# Allegro board P2597_B04_Allegro_layout.brd (continued)
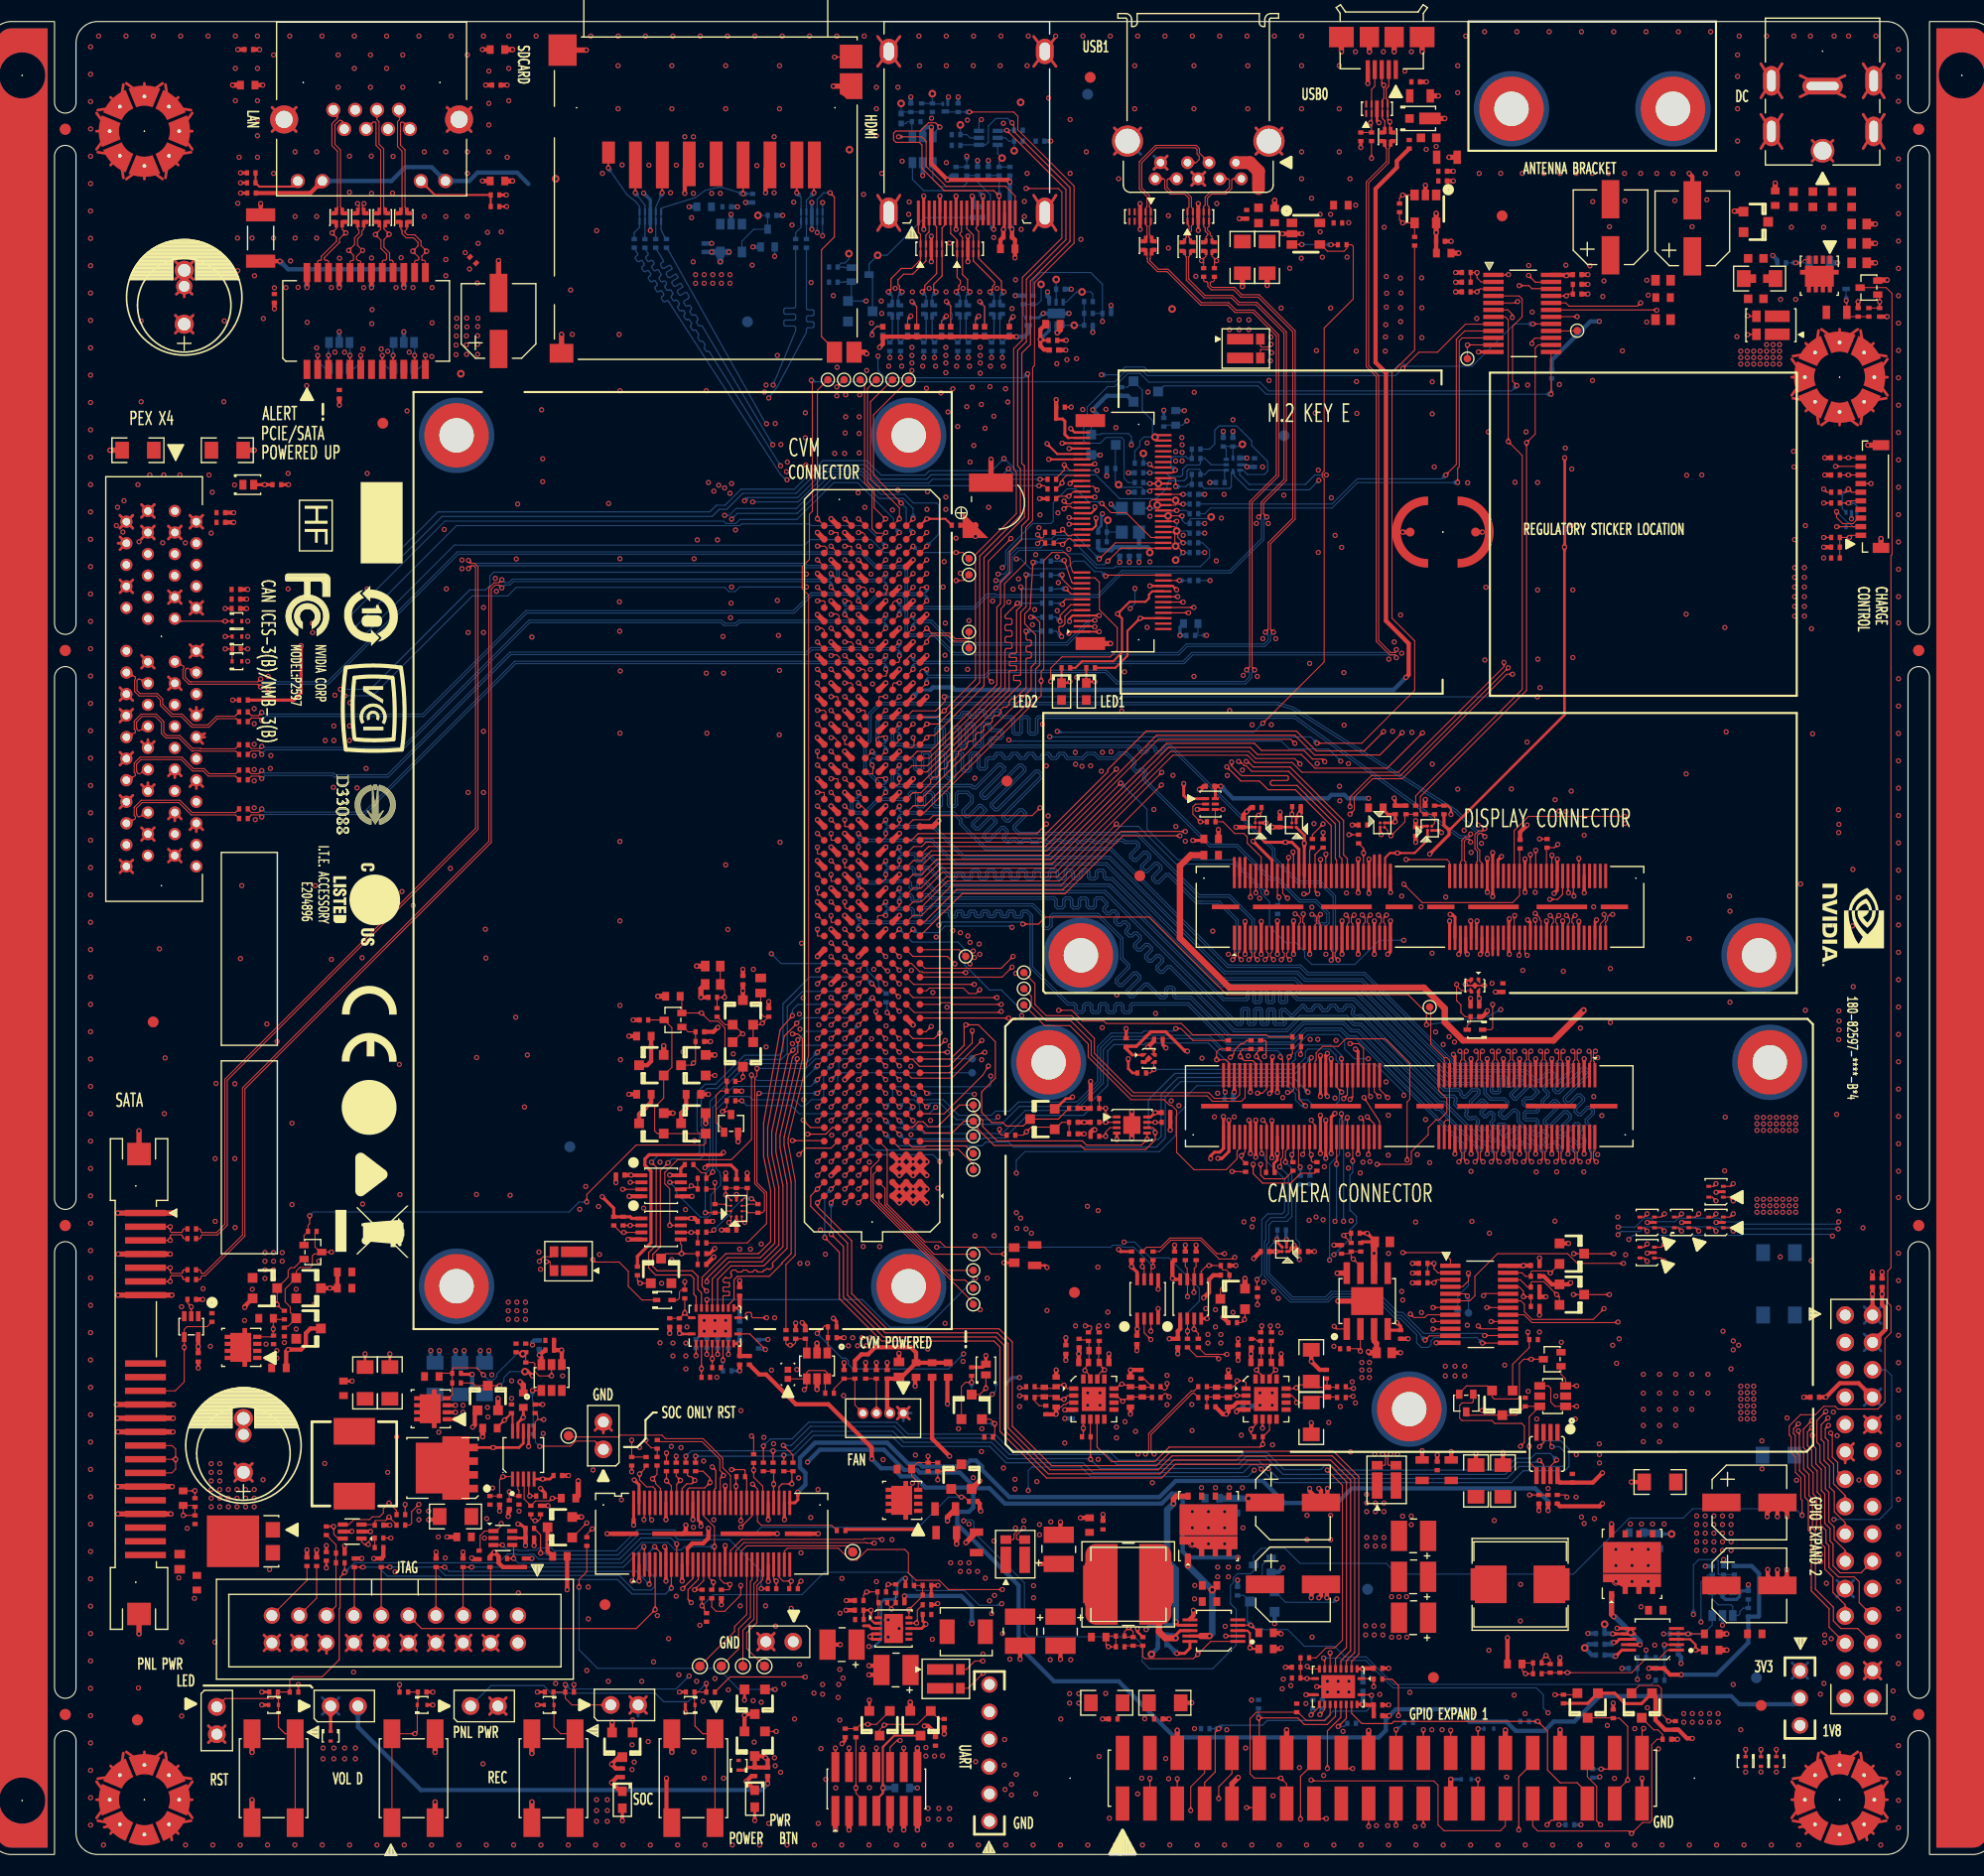
[diagram p0: board, top side]
## Routing (per net, layer and track width the routed paths; a pad name or vN(x,y) marks a point on that pad's centre or on a via; arc(x,y) is an arc through that point) (continued)
  L2 w0.254: 10.61,2.53 MEC2.4 ; MEC2.4 11.21,1.94 ; MEC2.4 10.02,3.13 ; 18.58,96.34 19.18,95.74 ; 19.18,95.74 19.77,96.34 ; 19.18,95.74 19.77,95.14 ; 19.18,95.74 18.58,95.14 ; 16.3,9.41 MEC2.8 ; MEC2.8 18.68,7.03 ; MEC2.8 17.49,8.22 ; 16.58,124.14 J2.A1 ; J2.A1 17.77,125.34 ; J2.A1 16.58,125.34 ; J2.A1 17.77,124.14 ; 17.18,108.74 17.77,109.34 ; 17.18,108.74 17.77,108.14 ; 17.18,108.74 16.58,109.34 ; 17.18,108.74 16.58,108.14 ; 19.18,111.74 19.77,111.14 ; 19.18,111.74 19.77,112.34 ; 19.18,111.74 18.58,112.34 ; 19.18,111.74 18.58,111.14 ; 14.35,155.56 MEC1.5 ; MEC1.5 16.03,155.56 ; MEC1.5 12.67,155.56 ; 12.08,108.34 12.67,107.74 ; 12.67,107.74 12.08,107.14 ; 12.67,107.74 13.27,107.14 ; 12.67,107.74 13.27,108.34 ; MEC1.1 14.35,164.45 ; MEC1.1 12.67,164.45 ; MEC1.1 16.03,164.45 ; 174.11,39.14 J26.10 ; J26.10 175.67,40.7 ; J26.10 175.67,39.14 ; J26.10 174.11,40.7 ; 25.46,20.37 J7.20 ; J7.20 25.46,18.91 ; J7.20 26.92,20.37 ; J7.20 26.92,18.91 ; 14.67,98.74 15.27,98.14 ; 14.67,98.74 14.08,99.34 ; 14.67,98.74 15.27,99.34 ; 14.67,98.74 14.08,98.14 ; 16.58,101.34 17.18,100.74 ; 17.18,100.74 16.58,100.14 ; 17.18,100.74 17.77,101.34 ; 17.18,100.74 17.77,100.14 ; 174.02,158.4 J25.6 ; J25.6 175.98,158.4 ; J25.6 174.02,161.56 ; J25.6 175.98,161.56 ; 174.11,139.44 174.97,140.3 ; 174.11,139.44 173.78,141.49 ; 174.11,139.44 176.16,139.11 ; 168.69,1.94 169.55,2.8 ; 169.55,2.8 168.09,2.53 ; 169.55,2.8 167.5,3.13 ; 17.23,147.9 C4.3 ; C4.3 17.23,146.26 ; C4.3 18.87,146.26 ; C4.3 18.87,147.9 ; J26.11 173.13,36.6 ; J26.11 171.57,36.6 ; J26.11 173.13,38.16 ; J26.11 171.57,38.16 ; J6.2 47.97,14.56 ; J6.2 46.41,14.56 ; J6.2 47.97,13 ; J6.2 46.41,13 ; J17.1 93.58,3.81 ; J17.1 92.12,2.35 ; J17.1 93.58,2.35 ; J17.1 92.12,3.81 ; 164.52,158.4 J25.3 ; J25.3 166.48,161.56 ; J25.3 166.48,158.4 ; J25.3 164.52,161.56 ; J19.4 109.37,156.46 ; J19.4 109.37,157.7 ; J19.4 108.13,156.46 ; J19.4 108.13,157.7 ; 18.58,121.14 J2.A4 ; J2.A4 18.58,122.34 ; J2.A4 19.77,121.14 ; J2.A4 19.77,122.34 ; MEC2.6 17.49,1.94 ; MEC2.6 16.9,1.34 ; MEC2.6 18.68,3.13 ; MEC13.1 171.83,141.61 ; MEC13.1 170.15,141.61 ; MEC13.1 173.51,141.61 ; 17.18,96.74 17.77,96.14 ; 17.18,96.74 17.77,97.34 ; 17.18,96.74 16.58,96.14 ; 17.18,96.74 16.58,97.34 ; MEC1.7 18.8,161.68 ; MEC1.7 18.8,160 ; MEC1.7 18.8,158.32 ; 12.08,106.34 12.67,105.74 ; 12.67,105.74 13.27,105.14 ; 12.67,105.74 12.08,105.14 ; 12.67,105.74 13.27,106.34 ; J9.2 60.99,14.66 ; J9.2 59.44,14.66 ; J9.2 60.99,13.1 ; J9.2 59.44,13.1 ; J16.21 99.03,166.02 ; J16.21 96.97,168.79 ; J16.21 99.03,168.79 ; J16.21 96.97,166.02 ; 14.08,102.14 14.67,102.74 ; 14.67,102.74 15.27,102.14 ; 14.67,102.74 15.27,103.34 ; 14.67,102.74 14.08,103.34 ; J19.7 112.87,156.2 ; J19.7 111.63,154.96 ; J19.7 112.87,154.96 ; J19.7 111.63,156.2 ; 16.63,157.72 18.68,158.05 ; 16.63,157.72 17.49,156.86 ; 16.63,157.72 16.3,155.67 ; 84.29,41.54 J15.1 ; J15.1 85.41,40.42 ; J15.1 85.41,41.54 ; J15.1 84.29,40.42 ; J7.12 37.08,18.91 ; J7.12 37.08,20.37 ; J7.12 35.62,20.37 ; J7.12 35.62,18.91 ; J26.28 175.67,16.28 ; J26.28 174.11,17.84 ; J26.28 175.67,17.84 ; J26.28 174.11,16.28 ; 167.38,135.48 MEC13.3 ; MEC13.3 167.38,138.84 ; MEC13.3 167.38,137.16 ; 12.08,121.14 12.67,121.74 ; 12.67,121.74 13.27,121.14 ; 12.67,121.74 12.08,122.34 ; 12.67,121.74 13.27,122.34 ; J7.16 32,20.37 ; J7.16 32,18.91 ; J7.16 30.54,18.91 ; J7.16 30.54,20.37 ; 11.21,163.14 MEC1.2 ; MEC1.2 12.4,164.33 ; MEC1.2 10.02,161.95 ; 71.31,20.53 J11.2 ; J11.2 72.86,20.53 ; J11.2 72.86,18.98 ; J11.2 71.31,18.98 ; J25.4 166.48,163.1 ; J25.4 164.52,166.26 ; J25.4 164.52,163.1 ; J25.4 166.48,166.26 ; 9.9,161.68 MEC1.3 ; MEC1.3 9.9,158.32 ; MEC1.3 9.9,160 ; 104.46,157.86 J19.11 ; J19.11 104.46,160.3 ; J19.11 106.9,157.86 ; J19.11 106.9,160.3 ; J8.2 57.76,39.37 ; J8.2 57.76,40.93 ; J8.2 56.2,39.37 ; J8.2 56.2,40.93 ; J7.6 44.7,20.37 ; J7.6 43.24,18.91 ; J7.6 43.24,20.37 ; J7.6 44.7,18.91 ; 22.82,38.26 C24.2 ; C24.2 23.55,38.03 ; C24.2 24.28,38.26 ; MEC14.1 171.83,9.53 ; MEC14.1 173.51,9.53 ; MEC14.1 170.15,9.53 ; 14.67,118.74 15.27,118.14 ; 14.67,118.74 14.08,119.34 ; 14.67,118.74 14.08,118.14 ; 14.67,118.74 15.27,119.34 ; MEC13.7 176.28,138.84 ; MEC13.7 176.28,135.48 ; MEC13.7 176.28,137.16 ; MEC2.2 12.4,9.41 ; MEC2.2 11.21,8.22 ; MEC2.2 10.02,7.03 ; J19.10 120.04,157.86 ; J19.10 117.6,157.86 ; J19.10 120.04,160.3 ; J19.10 117.6,160.3 ; 18.58,104.34 19.18,103.74 ; 19.18,103.74 18.58,103.14 ; 19.18,103.74 19.77,103.14 ; 19.18,103.74 19.77,104.34 ; MEC14.8 174.97,8.22 ; MEC14.8 173.78,9.41 ; MEC14.8 176.16,7.03 ; 18.58,105.14 19.18,105.74 ; 19.18,105.74 19.77,105.14 ; 19.18,105.74 18.58,106.34 ; 19.18,105.74 19.77,106.34 ; 19.18,99.74 19.77,99.14 ; 19.18,99.74 19.77,100.34 ; 19.18,99.74 18.58,99.14 ; 19.18,99.74 18.58,100.34 ; 168.69,8.22 169.55,7.36 ; 169.55,7.36 169.88,9.41 ; 169.55,7.36 167.5,7.03 ; 167.5,135.21 169.55,134.88 ; 169.55,134.88 169.88,132.83 ; 169.55,134.88 168.69,134.02 ; J25.5 175.98,166.26 ; J25.5 175.98,163.1 ; J25.5 174.02,163.1 ; J25.5 174.02,166.26 ; MEC14.6 174.97,1.94 ; MEC14.6 176.16,3.13 ; MEC14.6 174.38,1.34 ; MEC2.7 18.8,3.4 ; MEC2.7 18.8,5.08 ; MEC2.7 18.8,6.76 ; J7.4 47.24,18.91 ; J7.4 47.24,20.37 ; J7.4 45.78,18.91 ; J7.4 45.78,20.37 ; 16.58,92.14 17.18,92.74 ; 17.18,92.74 16.58,93.34 ; 17.18,92.74 17.77,93.34 ; 17.18,92.74 17.77,92.14 ; MEC2.1 14.35,9.53 ; MEC2.1 12.67,9.53 ; MEC2.1 16.03,9.53 ; MEC13.5 173.51,132.72 ; MEC13.5 171.83,132.72 ; MEC13.5 170.15,132.72 ; 12.67,101.74 13.27,101.14 ; 12.67,101.74 12.08,102.34 ; 12.67,101.74 13.27,102.34 ; 12.67,101.74 12.08,101.14 ; 40.7,20.37 J7.8 ; J7.8 40.7,18.91 ; J7.8 42.16,18.91 ; J7.8 42.16,20.37 ; J7.10 39.62,20.37 ; J7.10 39.62,18.91 ; J7.10 38.16,20.37 ; J7.10 38.16,18.91 ; 12.67,97.74 13.27,98.34 ; 12.67,97.74 12.08,97.14 ; 12.67,97.74 13.27,97.14 ; 12.67,97.74 12.08,98.34 ; 96.97,150.78 J16.20 ; J16.20 96.97,154.05 ; J16.20 99.03,150.78 ; J16.20 99.03,154.05 ; 168.69,140.3 169.55,139.44 ; 169.55,139.44 167.5,139.11 ; 169.55,139.44 169.88,141.49 ; 14.08,111.34 14.67,110.74 ; 14.67,110.74 14.08,110.14 ; 14.67,110.74 15.27,110.14 ; 33.08,20.37 J7.14 ; J7.14 34.54,18.91 ; J7.14 33.08,18.91 ; J7.14 34.54,20.37 ; 173.78,132.83 MEC13.6 ; MEC13.6 174.97,134.02 ; MEC13.6 176.16,135.21 ; 82.47,166.02 J16.23 ; J16.23 82.47,168.79 ; J16.23 84.53,166.02 ; J16.23 84.53,168.79 ; 12.07,157.72 12.4,155.67 ; 12.07,157.72 11.21,156.86 ; 12.07,157.72 10.02,158.05 ; 171.57,23.9 J26.21 ; J26.21 171.57,25.46 ; J26.21 173.13,23.9 ; J26.21 173.13,25.46 ; 82.47,150.78 J16.22 ; J16.22 84.53,154.05 ; J16.22 84.53,150.78 ; J16.22 82.47,154.05 ; 12.67,91.74 13.27,92.34 ; 12.67,91.74 12.08,92.34 ; 12.67,91.74 13.27,91.14 ; 12.67,91.74 12.08,91.14 ; 22.73,41.3 C24.3 ; C24.3 24.37,39.66 ; C24.3 24.37,41.3 ; C24.3 22.73,39.66 ; J7.18 29.46,18.91 ; J7.18 28,18.91 ; J7.18 29.46,20.37 ; J7.18 28,20.37 ; 14.67,94.74 15.27,95.34 ; 14.67,94.74 15.27,94.14 ; 14.67,94.74 14.08,95.34 ; 14.67,94.74 14.08,94.14 ; 9.9,5.08 MEC2.3 ; MEC2.3 9.9,3.4 ; MEC2.3 9.9,6.76 ; 20.3,11.94 J3.2 ; J3.2 21.85,11.94 ; J3.2 21.85,10.39 ; J3.2 20.3,10.39 ; MEC14.7 176.28,3.4 ; MEC14.7 176.28,5.08 ; MEC14.7 176.28,6.76 ; 16.3,164.33 MEC1.8 ; MEC1.8 18.68,161.95 ; MEC1.8 17.49,163.14 ; 167.38,5.08 MEC14.3 ; MEC14.3 167.38,6.76 ; MEC14.3 167.38,3.4 ; C4.2 18.78,144.86 ; C4.2 17.32,144.86 ; C4.2 18.05,144.63 ; 168.17,165.16 J25.2 ; J25.2 172.33,163.2 ; J25.2 168.17,163.2 ; J25.2 172.33,165.16
  L2 w0.4: 169.55,2.8 MEC14.5 MEC14.6
  L3 w0.254: 18.58,111.14 19.18,111.74 ; 19.18,111.74 19.77,111.14 ; 19.18,111.74 19.18,110.97 ; J11.2 72.86,20.53 ; J11.2 71.31,18.98 ; J11.2 71.31,20.53 ; J11.2 72.86,18.98 ; MEC13.7 176.28,135.48 ; MEC13.7 176.28,138.84 ; MEC13.7 176.28,137.16 ; 17.18,108.74 17.77,109.34 ; 17.18,108.74 17.77,108.14 ; 17.18,108.74 16.58,108.14 ; 17.18,108.74 16.58,109.34 ; 22.73,41.3 C24.3 ; C24.3 22.73,39.66 ; C24.3 24.37,39.66 ; C24.3 24.37,41.3 ; 167.38,6.76 MEC14.3 ; MEC14.3 167.38,3.4 ; MEC14.3 167.38,5.08 ; J19.11 106.9,157.86 ; J19.11 104.46,160.3 ; J19.11 106.9,160.3 ; 174.11,39.14 J26.10 ; J26.10 175.67,40.7 ; J26.10 174.11,40.7 ; J26.10 175.67,39.14 ; J25.4 166.48,163.1 ; J25.4 166.48,166.26 ; J25.4 164.52,166.26 ; J25.4 164.52,163.1 ; 16.3,155.67 16.63,157.72 ; 16.63,157.72 18.68,158.05 ; 16.63,157.72 17.49,156.86 ; 11.21,1.94 MEC2.4 ; MEC2.4 10.02,3.13 ; MEC2.4 10.61,2.53 ; 9.9,160 MEC1.3 ; MEC1.3 9.9,161.68 ; MEC1.3 9.9,158.32 ; MEC1.7 18.8,158.32 ; MEC1.7 18.8,160 ; MEC1.7 18.8,161.68 ; J19.7 112.87,154.96 ; J19.7 111.63,154.96 ; J19.7 112.87,156.2 ; J19.7 111.63,156.2 ; 168.69,1.94 169.55,2.8 ; 169.55,2.8 168.09,2.53 ; 169.55,2.8 167.5,3.13 ; 171.57,23.9 J26.21 ; J26.21 171.57,25.46 ; J26.21 173.13,23.9 ; J26.21 173.13,25.46 ; MEC2.2 12.4,9.41 ; MEC2.2 11.21,8.22 ; MEC2.2 10.02,7.03 ; 19.18,105.74 19.77,106.34 ; 19.18,105.74 19.77,105.14 ; 19.18,105.74 18.58,105.14 ; 19.18,105.74 18.58,106.34 ; J9.2 60.99,13.1 ; J9.2 60.22,12.85 ; J9.2 60.99,14.66 ; MEC13.5 173.51,132.72 ; MEC13.5 171.83,132.72 ; MEC13.5 170.15,132.72 ; J3.2 21.85,11.94 ; J3.2 21.85,10.39 ; J3.2 20.3,10.39 ; J3.2 20.3,11.94 ; MEC2.6 17.49,1.94 ; MEC2.6 16.9,1.34 ; MEC2.6 18.68,3.13 ; 12.67,107.74 13.27,107.14 ; 12.67,107.74 13.27,108.34 ; 12.67,107.74 12.08,107.14 ; 12.67,107.74 12.08,108.34 ; 17.18,92.74 17.77,93.34 ; 17.18,92.74 16.58,92.14 ; 17.18,92.74 16.58,93.34 ; 17.18,92.74 17.77,92.14 ; 12.07,157.72 12.4,155.67 ; 12.07,157.72 11.21,156.86 ; 12.07,157.72 10.02,158.05 ; 16.58,97.34 17.18,96.74 ; 17.18,96.74 17.77,96.14 ; 17.18,96.74 16.58,96.14 ; 17.18,96.74 17.77,97.34 ; 16.3,9.41 MEC2.8 ; MEC2.8 17.49,8.22 ; MEC2.8 18.68,7.03 ; MEC13.6 176.16,135.21 ; MEC13.6 173.78,132.83 ; MEC13.6 174.97,134.02 ; MEC1.8 17.49,163.14 ; MEC1.8 16.3,164.33 ; MEC1.8 18.68,161.95 ; 22.82,38.26 C24.2 ; C24.2 23.55,38.03 ; C24.2 24.28,38.26 ; 167.38,135.48 MEC13.3 ; MEC13.3 167.38,137.16 ; MEC13.3 167.38,136.32 ; J7.16 32,18.91 ; J7.16 30.54,20.37 ; J7.16 32,20.37 ; J7.16 30.54,18.91 ; 171.57,36.6 J26.11 ; J26.11 171.57,38.16 ; J26.11 173.13,36.6 ; J26.11 173.13,38.16 ; MEC14.6 174.97,1.94 ; MEC14.6 174.38,1.34 ; MEC14.6 176.16,3.13 ; 174.11,16.28 J26.28 ; J26.28 175.67,17.84 ; J26.28 174.11,17.84 ; J26.28 175.67,16.28 ; 14.67,110.74 15.27,110.14 ; 14.67,110.74 14.08,111.34 ; 14.67,110.74 14.08,110.14 ; 117.6,160.3 J19.10 ; J19.10 120.04,157.86 ; J19.10 120.04,160.3 ; J19.10 117.6,157.86 ; 10.02,161.95 MEC1.2 ; MEC1.2 11.21,163.14 ; MEC1.2 12.4,164.33 ; 18.58,96.34 19.18,95.74 ; 19.18,95.74 18.58,95.14 ; 19.18,95.74 19.77,95.14 ; 19.18,95.74 19.77,96.34 ; J7.18 29.46,20.37 ; J7.18 28,20.37 ; J7.18 29.46,18.91 ; J7.18 28,18.91 ; 167.5,7.03 169.55,7.36 ; 169.55,7.36 169.88,9.41 ; 169.55,7.36 168.69,8.22 ; J16.23 84.53,166.02 ; J16.23 82.47,166.02 ; J16.23 82.47,168.79 ; J16.23 84.53,168.79 ; 173.78,9.41 MEC14.8 ; MEC14.8 174.97,8.22 ; MEC14.8 176.16,7.03 ; MEC14.1 171.83,9.53 ; MEC14.1 170.15,9.53 ; MEC14.1 173.51,9.53 ; J16.21 99.03,168.79 ; J16.21 99.03,166.02 ; J16.21 96.97,166.02 ; J16.21 96.97,168.79 ; 56.2,39.37 J8.2 ; J8.2 56.2,40.93 ; J8.2 57.76,39.37 ; J8.2 57.76,40.93 ; MEC2.7 18.8,6.76 ; MEC2.7 18.8,3.4 ; MEC2.7 18.8,5.08 ; 168.17,163.2 J25.2 ; J25.2 172.33,165.16 ; J25.2 168.17,165.16 ; J25.2 172.33,163.2 ; MEC1.1 16.03,164.45 ; MEC1.1 14.35,164.45 ; MEC1.1 12.67,164.45 ; 14.67,102.74 15.27,103.34 ; 14.67,102.74 14.08,103.34 ; 14.67,102.74 14.08,102.14 ; 14.67,102.74 15.27,102.14 ; 12.67,91.74 13.27,91.14 ; 12.67,91.74 13.27,92.34 ; 12.67,91.74 12.08,91.14 ; 12.67,91.74 12.08,92.34 ; MEC14.7 176.28,3.4 ; MEC14.7 176.28,5.08 ; MEC14.7 176.28,6.76 ; 169.55,134.88 169.88,132.83 ; 174.02,163.1 J25.5 ; J25.5 175.98,163.1 ; J25.5 174.02,166.26 ; J25.5 175.98,166.26 ; 17.18,100.74 17.77,101.34 ; 17.18,100.74 16.58,101.34 ; 17.18,100.74 17.77,100.14 ; 17.18,100.74 16.58,100.14 ; 14.35,155.56 MEC1.5 ; MEC1.5 16.03,155.56 ; MEC1.5 12.67,155.56 ; J25.6 175.98,158.4 ; J25.6 175.98,161.56 ; J25.6 174.02,161.56 ; J25.6 174.02,158.4 ; 164.52,161.56 J25.3 ; J25.3 166.48,158.4 ; J25.3 164.52,158.4 ; J25.3 166.48,161.56 ; J19.4 109.37,156.46 ; J19.4 108.13,156.46 ; J19.4 108.13,157.7 ; J19.4 109.37,157.7 ; 96.97,150.78 J16.20 ; J16.20 99.03,154.05 ; J16.20 96.97,154.05 ; J16.20 99.03,150.78 ; 12.08,106.34 12.67,105.74 ; 12.67,105.74 13.27,106.34 ; 12.67,105.74 13.27,105.14 ; 12.67,105.74 12.08,105.14 ; 174.11,139.44 174.97,140.3 ; 174.11,139.44 173.78,141.49 ; 174.11,139.44 176.16,139.11 ; 168.69,140.3 169.55,139.44 ; 169.55,139.44 169.28,140.9 ; 169.55,139.44 169.88,141.49 ; 14.67,98.74 15.27,99.34 ; 14.67,98.74 14.08,98.14 ; 14.67,98.74 14.08,99.34 ; 14.67,98.74 15.27,98.14 ; 9.9,3.4 MEC2.3 ; MEC2.3 9.9,5.08 ; MEC2.3 9.9,6.76 ; MEC2.1 16.03,9.53 ; MEC2.1 12.67,9.53 ; MEC2.1 14.35,9.53 ; 12.08,102.34 12.67,101.74 ; 12.67,101.74 12.08,101.14 ; 12.67,101.74 13.27,102.34 ; 12.67,101.74 13.27,101.14 ; 12.08,98.34 12.67,97.74 ; 12.67,97.74 12.08,97.14 ; 12.67,97.74 13.27,97.14 ; 12.67,97.74 13.27,98.34 ; 82.47,150.78 J16.22 ; J16.22 82.47,154.05 ; J16.22 84.53,150.78 ; J16.22 84.53,154.05 ; 25.46,20.37 J7.20 ; J7.20 26.92,18.91 ; J7.20 26.92,20.37 ; J7.20 25.46,18.91 ; 170.15,141.61 MEC13.1 ; MEC13.1 173.51,141.61 ; MEC13.1 171.83,141.61 ; 19.18,103.74 19.77,103.14 ; 19.18,103.74 18.58,103.14 ; 19.18,103.74 19.77,104.34 ; 19.18,103.74 18.58,104.34 ; 14.67,94.74 15.27,95.34 ; 14.67,94.74 14.08,95.34 ; 14.67,94.74 14.08,94.14 ; 14.67,94.74 15.27,94.14 ; 18.58,99.14 19.18,99.74 ; 19.18,99.74 19.77,99.14 ; 19.18,99.74 18.58,100.34 ; 19.18,99.74 19.77,100.34 ; C4.2 18.78,144.86 ; C4.2 17.32,144.86 ; C4.2 18.05,144.63 ; C4.3 18.87,146.26 ; C4.3 17.23,147.9 ; C4.3 18.87,147.9 ; C4.3 17.23,146.26
  L4 w0.254: 167.38,5.08 MEC14.3 ; MEC14.3 167.38,3.4 ; MEC14.3 167.38,6.76 ; 14.08,99.34 14.67,98.74 ; 14.67,98.74 15.27,99.34 ; 14.67,98.74 14.08,98.14 ; 14.67,98.74 15.27,98.14 ; 18.05,144.63 C4.2 ; C4.2 17.32,144.86 ; C4.2 18.78,144.86 ; 16.58,100.14 17.18,100.74 ; 17.18,100.74 16.58,101.34 ; 17.18,100.74 17.77,100.14 ; J7.10 39.62,20.37 ; J7.10 38.16,18.91 ; J7.10 39.62,18.91 ; J7.10 38.16,20.37 ; MEC13.5 173.51,132.72 ; MEC13.5 170.15,132.72 ; MEC13.5 171.83,132.72 ; 18.58,95.14 19.18,95.74 ; 19.18,95.74 19.77,95.14 ; 19.18,95.74 19.18,94.97 ; J11.2 72.86,20.53 ; J11.2 71.31,18.98 ; J11.2 71.31,20.53 ; J11.2 72.86,18.98 ; 168.17,165.16 J25.2 ; J25.2 172.33,165.16 ; J25.2 172.33,163.2 ; J25.2 168.17,163.2 ; J25.5 175.98,166.26 ; J25.5 175.98,163.1 ; J25.5 174.02,166.26 ; J25.5 174.02,163.1 ; MEC13.7 176.28,137.16 ; MEC13.7 176.28,135.48 ; MEC13.7 176.28,138.84 ; MEC2.8 17.49,8.22 ; MEC2.8 16.3,9.41 ; MEC2.8 18.68,7.03 ; 10.02,7.03 MEC2.2 ; MEC2.2 12.4,9.41 ; MEC2.2 11.21,8.22 ; 174.11,17.84 J26.28 ; J26.28 175.67,16.28 ; J26.28 175.67,17.84 ; J26.28 174.11,16.28 ; 12.08,105.14 12.67,105.74 ; 12.67,105.74 12.08,106.34 ; 12.67,105.74 13.27,105.14 ; 12.67,105.74 13.27,106.34 ; 35.62,20.37 J7.12 ; J7.12 37.08,18.91 ; J7.12 37.08,20.37 ; J7.12 35.62,18.91 ; 9.9,158.32 MEC1.3 ; MEC1.3 9.9,161.68 ; MEC1.3 9.9,160 ; 14.08,102.14 14.67,102.74 ; 14.67,102.74 14.08,103.34 ; 14.67,102.74 15.27,102.14 ; 14.67,102.74 15.27,103.34 ; 16.63,157.72 17.49,156.86 ; 16.63,157.72 16.3,155.67 ; 16.63,157.72 18.68,158.05 ; MEC13.1 173.51,141.61 ; MEC13.1 171.83,141.61 ; MEC13.1 170.15,141.61 ; MEC2.6 18.68,3.13 ; MEC2.6 17.49,1.94 ; MEC2.6 16.9,1.34 ; MEC1.8 17.49,163.14 ; MEC1.8 16.3,164.33 ; MEC1.8 18.68,161.95 ; MEC14.6 174.38,1.34 ; MEC14.6 176.16,3.13 ; MEC14.6 174.97,1.94 ; J2.A1 17.77,125.34 ; J2.A1 17.77,124.14 ; J2.A1 16.58,125.34 ; J2.A1 16.58,124.14 ; 167.38,137.16 MEC13.3 ; MEC13.3 167.38,138.84 ; MEC13.3 167.38,135.48 ; J3.2 21.85,10.39 ; J3.2 20.3,11.94 ; J3.2 21.85,11.94 ; J3.2 20.3,10.39 ; 12.67,121.74 13.27,121.14 ; 12.67,121.74 12.08,122.34 ; 12.67,121.74 12.08,121.14 ; 12.67,121.74 13.27,122.34 ; C24.3 24.37,41.3 ; C24.3 24.37,39.66 ; C24.3 22.73,41.3 ; C24.3 22.73,39.66 ; MEC2.7 18.8,5.08 ; MEC2.7 18.8,3.4 ; MEC2.7 18.8,6.76 ; 12.08,101.14 12.67,101.74 ; 12.67,101.74 13.27,101.14 ; 12.67,101.74 12.08,102.34 ; 12.67,101.74 13.27,102.34 ; 14.67,110.74 15.27,110.14 ; 14.67,110.74 14.08,110.14 ; 14.67,110.74 14.08,111.34 ; J7.20 26.92,18.91 ; J7.20 25.46,18.91 ; J7.20 25.46,20.37 ; J7.20 26.92,20.37 ; 18.58,105.14 19.18,105.74 ; 19.18,105.74 19.77,106.34 ; 19.18,105.74 18.58,106.34 ; 19.18,105.74 19.77,105.14 ; 9.9,3.4 MEC2.3 ; MEC2.3 9.9,5.08 ; MEC2.3 9.9,6.76 ; 12.08,91.14 12.67,91.74 ; 12.67,91.74 13.27,91.14 ; 12.67,91.74 12.08,92.34 ; 12.67,91.74 13.27,92.34 ; 11.21,156.86 12.07,157.72 ; 12.07,157.72 10.02,158.05 ; 12.07,157.72 12.4,155.67 ; 17.18,108.74 17.77,109.34 ; 17.18,108.74 16.58,108.14 ; 17.18,108.74 16.58,109.34 ; 18.58,104.34 19.18,103.74 ; 19.18,103.74 19.77,104.34 ; 19.18,103.74 18.58,103.14 ; 19.18,103.74 19.77,103.14 ; MEC2.1 16.03,9.53 ; MEC2.1 12.67,9.53 ; MEC2.1 14.35,9.53 ; 170.15,9.53 MEC14.1 ; MEC14.1 173.51,9.53 ; MEC14.1 171.83,9.53 ; 40.7,18.91 J7.8 ; J7.8 42.16,20.37 ; J7.8 42.16,18.91 ; J7.8 40.7,20.37 ; 19.18,111.74 19.77,112.34 ; 19.18,111.74 18.58,111.14 ; 19.18,111.74 18.58,112.34 ; 19.18,111.74 19.77,111.14 ; 10.02,3.13 MEC2.4 ; MEC2.4 10.61,2.53 ; MEC2.4 11.21,1.94 ; 174.11,39.14 J26.10 ; J26.10 175.67,40.7 ; J26.10 174.11,40.7 ; J26.10 175.67,39.14 ; J17.1 93.58,2.35 ; J17.1 93.58,3.81 ; J17.1 93.81,3.08 ; 104.46,157.86 J19.11 ; J19.11 104.46,160.3 ; J19.11 106.9,160.3 ; J19.11 106.9,157.86 ; C4.3 18.87,147.9 ; C4.3 17.23,147.9 ; C4.3 18.87,146.26 ; C4.3 17.23,146.26 ; 14.08,118.14 14.67,118.74 ; 14.67,118.74 14.67,117.97 ; 14.67,118.74 15.27,118.14 ; J16.21 99.03,166.02 ; J16.21 96.97,166.02 ; J16.21 99.03,168.79 ; J16.21 96.97,168.79 ; J19.7 112.87,156.2 ; J19.7 111.63,156.2 ; J19.7 111.63,154.96 ; J19.7 112.87,154.96 ; 28,20.37 J7.18 ; J7.18 28,18.91 ; J7.18 29.46,18.91 ; J7.18 29.46,20.37 ; J26.21 173.13,23.9 ; J26.21 173.13,25.46 ; J26.21 171.57,23.9 ; J26.21 171.57,25.46 ; 174.02,158.4 J25.6 ; J25.6 175.98,158.4 ; J25.6 175.98,161.56 ; J25.6 174.02,161.56 ; 12.08,107.14 12.67,107.74 ; 12.67,107.74 13.27,108.34 ; 12.67,107.74 13.27,107.14 ; 12.67,107.74 12.08,108.34 ; J7.14 34.54,18.91 ; J7.14 33.08,20.37 ; J7.14 33.08,18.91 ; J7.14 34.54,20.37 ; MEC14.8 176.16,7.03 ; MEC14.8 174.97,8.22 ; MEC14.8 173.78,9.41 ; 10.02,161.95 MEC1.2 ; MEC1.2 11.21,163.14 ; MEC1.2 12.4,164.33 ; J6.2 47.97,14.56 ; J6.2 46.41,13 ; J6.2 46.41,14.56 ; J6.2 47.97,13 ; J2.A4 19.18,122.51 ; J2.A4 18.58,122.34 ; J2.A4 19.77,122.34 ; 168.09,2.53 169.55,2.8 ; 169.55,2.8 167.5,3.13 ; 169.55,2.8 168.69,1.94 ; 164.52,166.26 J25.4 ; J25.4 164.52,163.1 ; J25.4 166.48,163.1 ; J25.4 166.48,166.26 ; J19.10 120.04,160.3 ; J19.10 117.6,160.3 ; J19.10 120.04,157.86 ; J19.10 117.6,157.86 ; J7.6 44.7,20.37 ; J7.6 44.7,18.91 ; J7.6 43.24,20.37 ; J7.6 43.24,18.91 ; 167.5,7.03 169.55,7.36 ; 169.55,7.36 169.88,9.41 ; 169.55,7.36 168.69,8.22 ; J16.23 84.53,166.02 ; J16.23 84.53,168.79 ; J16.23 82.47,168.79 ; J16.23 82.47,166.02 ; 17.18,96.74 17.77,96.14 ; 17.18,96.74 16.58,97.34 ; 17.18,96.74 16.58,96.14 ; MEC13.6 176.16,135.21 ; MEC13.6 173.78,132.83 ; MEC13.6 174.97,134.02 ; MEC1.1 16.03,164.45 ; MEC1.1 12.67,164.45 ; MEC1.1 14.35,164.45 ; 23.55,38.03 C24.2 ; C24.2 24.28,38.26 ; C24.2 22.82,38.26 ; J25.3 166.48,158.4 ; J25.3 164.52,158.4 ; J25.3 166.48,161.56 ; J25.3 164.52,161.56 ; J19.4 109.37,156.46 ; J19.4 108.13,157.7 ; J19.4 109.37,157.7 ; J19.4 108.13,156.46 ; MEC14.7 176.28,5.08 ; MEC14.7 176.28,6.76 ; MEC14.7 176.28,3.4 ; 45.78,18.91 J7.4 ; J7.4 47.24,20.37 ; J7.4 47.24,18.91 ; J7.4 45.78,20.37 ; 14.67,94.74 15.27,94.14 ; 14.67,94.74 14.08,95.34 ; 14.67,94.74 15.27,95.34 ; 14.67,94.74 14.08,94.14 ; MEC1.7 18.8,158.32 ; MEC1.7 18.8,161.68 ; MEC1.7 18.8,160 ; 18.58,99.14 19.18,99.74 ; 19.18,99.74 19.77,99.14 ; 19.18,99.74 19.18,98.97 ; 12.67,155.56 MEC1.5 ; MEC1.5 16.03,155.56 ; MEC1.5 14.35,155.56 ; J7.16 32,20.37 ; J7.16 30.54,18.91 ; J7.16 30.54,20.37 ; J7.16 32,18.91 ; J9.2 60.99,13.1 ; J9.2 59.44,14.66 ; J9.2 60.99,14.66 ; J9.2 59.44,13.1 ; 174.11,139.44 174.97,140.3 ; 174.11,139.44 176.16,139.11 ; 174.11,139.44 173.78,141.49 ; 16.58,93.34 17.18,92.74 ; 17.18,92.74 17.77,92.14 ; 17.18,92.74 16.58,92.14 ; 169.55,139.44 169.88,141.49 ; 169.55,139.44 167.5,139.11 ; 169.55,139.44 168.69,140.3 ; 12.08,98.34 12.67,97.74 ; 12.67,97.74 13.27,97.14 ; 12.67,97.74 13.27,98.34 ; 12.67,97.74 12.08,97.14 ; 168.69,134.02 169.55,134.88 ; 169.55,134.88 169.88,132.83 ; 169.55,134.88 167.5,135.21
  L5 w0.254: J19.11 106.9,157.86 ; J19.11 106.9,160.3 ; J19.11 104.46,160.3 ; J19.11 104.46,157.86 ; 11.21,8.22 MEC2.2 ; MEC2.2 12.4,9.41 ; MEC2.2 10.02,7.03 ; MEC1.7 18.8,158.32 ; MEC1.7 18.8,160 ; MEC1.7 18.8,161.68 ; 14.08,99.34 14.67,98.74 ; 14.67,98.74 14.08,98.14 ; 14.67,98.74 15.27,99.34 ; 14.67,98.74 15.27,98.14 ; 14.08,103.34 14.67,102.74 ; 14.67,102.74 15.27,102.14 ; 14.67,102.74 15.27,103.34 ; 14.67,102.74 14.08,102.14 ; MEC13.7 176.28,135.48 ; MEC13.7 176.28,138.84 ; MEC13.7 176.28,137.16 ; 18.58,105.14 19.18,105.74 ; 19.18,105.74 19.77,105.14 ; 19.18,105.74 18.58,106.34 ; 19.18,105.74 19.77,106.34 ; 108.13,156.46 J19.4 ; J19.4 108.13,157.7 ; J19.4 109.37,156.46 ; J19.4 109.37,157.7 ; 71.31,18.98 J11.2 ; J11.2 72.86,20.53 ; J11.2 71.31,20.53 ; J11.2 72.86,18.98 ; J16.21 99.03,166.02 ; J16.21 96.97,168.79 ; J16.21 96.97,166.02 ; J16.21 99.03,168.79 ; J26.11 173.13,38.16 ; J26.11 171.57,38.16 ; J26.11 171.57,36.6 ; J26.11 173.13,36.6 ; 9.9,5.08 MEC2.3 ; MEC2.3 9.9,3.4 ; MEC2.3 9.9,6.76 ; 40.7,18.91 J7.8 ; J7.8 42.16,20.37 ; J7.8 42.16,18.91 ; J7.8 40.7,20.37 ; MEC14.8 174.97,8.22 ; MEC14.8 173.78,9.41 ; MEC14.8 176.16,7.03 ; 22.73,39.66 C24.3 ; C24.3 24.37,41.3 ; C24.3 22.73,41.3 ; C24.3 24.37,39.66 ; J16.22 84.53,154.05 ; J16.22 82.47,150.78 ; J16.22 84.53,150.78 ; J16.22 82.47,154.05 ; J16.23 84.53,168.79 ; J16.23 82.47,168.79 ; J16.23 82.47,166.02 ; J16.23 84.53,166.02 ; MEC14.1 173.51,9.53 ; MEC14.1 170.15,9.53 ; MEC14.1 171.83,9.53 ; 38.16,20.37 J7.10 ; J7.10 38.16,18.91 ; J7.10 39.62,20.37 ; J7.10 39.62,18.91 ; J25.2 172.33,163.2 ; J25.2 168.17,163.2 ; J25.2 168.17,165.16 ; J25.2 172.33,165.16 ; 12.08,121.14 12.67,121.74 ; 12.67,121.74 12.08,122.34 ; 12.67,121.74 13.27,122.34 ; 12.67,121.74 13.27,121.14 ; 12.67,97.74 13.27,97.14 ; 12.67,97.74 13.27,98.34 ; 12.67,97.74 12.08,97.14 ; 12.67,97.74 12.08,98.34 ; J26.28 175.67,16.28 ; J26.28 175.67,17.84 ; J26.28 174.11,17.84 ; J26.28 174.11,16.28 ; MEC1.5 16.03,155.56 ; MEC1.5 14.35,155.56 ; MEC1.5 12.67,155.56 ; 16.58,125.34 J2.A1 ; J2.A1 16.58,124.14 ; J2.A1 17.77,124.14 ; J2.A1 17.77,125.34 ; 14.08,119.34 14.67,118.74 ; 14.67,118.74 15.27,119.34 ; 14.67,118.74 14.08,118.14 ; 14.67,118.74 15.27,118.14 ; J19.7 112.87,156.2 ; J19.7 112.87,154.96 ; J19.7 111.63,156.2 ; J19.7 111.63,154.96 ; MEC14.6 174.38,1.34 ; MEC14.6 174.97,1.94 ; MEC14.6 176.16,3.13 ; 16.58,100.14 17.18,100.74 ; 17.18,100.74 17.77,100.14 ; 17.18,100.74 17.77,101.34 ; 17.18,100.74 16.58,101.34 ; 12.08,91.14 12.67,91.74 ; 12.67,91.74 13.27,92.34 ; 12.67,91.74 12.08,92.34 ; 12.67,91.74 13.27,91.14 ; 33.08,18.91 J7.14 ; J7.14 34.54,18.91 ; J7.14 33.08,20.37 ; J7.14 34.54,20.37 ; 174.02,163.1 J25.5 ; J25.5 175.98,163.1 ; J25.5 175.98,166.26 ; J25.5 174.02,166.26 ; J2.A4 19.77,122.34 ; J2.A4 18.58,121.14 ; J2.A4 19.77,121.14 ; J2.A4 18.58,122.34 ; 84.29,40.42 J15.1 ; J15.1 84.29,41.54 ; J15.1 85.41,40.42 ; J15.1 85.41,41.54 ; J7.6 44.7,18.91 ; J7.6 43.24,18.91 ; J7.6 43.24,20.37 ; J7.6 44.7,20.37 ; 12.08,101.14 12.67,101.74 ; 12.67,101.74 13.27,101.14 ; 12.67,101.74 12.08,102.34 ; 12.67,101.74 13.27,102.34 ; 174.11,139.44 174.97,140.3 ; 174.11,139.44 173.78,141.49 ; 174.11,139.44 176.16,139.11 ; MEC2.8 17.49,8.22 ; MEC2.8 16.3,9.41 ; MEC2.8 18.68,7.03 ; 14.08,94.14 14.67,94.74 ; 14.67,94.74 15.27,94.14 ; 14.67,94.74 15.27,95.34 ; 14.67,94.74 14.08,95.34 ; J8.2 57.76,39.37 ; J8.2 56.2,39.37 ; J8.2 56.2,40.93 ; J8.2 57.76,40.93 ; 25.46,20.37 J7.20 ; J7.20 26.92,20.37 ; J7.20 26.92,18.91 ; J7.20 25.46,18.91 ; 19.18,103.74 19.77,103.14 ; 19.18,103.74 18.58,104.34 ; 19.18,103.74 19.77,104.34 ; 19.18,103.74 18.58,103.14 ; MEC2.1 16.03,9.53 ; MEC2.1 12.67,9.53 ; MEC2.1 14.35,9.53 ; 117.6,160.3 J19.10 ; J19.10 120.04,157.86 ; J19.10 117.6,157.86 ; J19.10 120.04,160.3 ; J3.2 21.85,11.94 ; J3.2 21.85,10.39 ; J3.2 20.3,11.94 ; J3.2 20.3,10.39 ; 16.58,92.14 17.18,92.74 ; 17.18,92.74 17.77,92.14 ; 17.18,92.74 16.58,93.34 ; 17.18,92.74 17.77,93.34 ; MEC2.6 18.68,3.13 ; MEC2.6 17.49,1.94 ; MEC2.6 16.9,1.34 ; MEC13.6 176.16,135.21 ; MEC13.6 173.78,132.83 ; MEC13.6 174.97,134.02 ; 35.62,18.91 J7.12 ; J7.12 37.08,20.37 ; J7.12 35.62,20.37 ; J7.12 37.08,18.91 ; 16.58,109.34 17.18,108.74 ; 17.18,108.74 17.77,108.14 ; 17.18,108.74 17.77,109.34 ; 17.18,108.74 16.58,108.14 ; J16.20 99.03,150.78 ; J16.20 96.97,150.78 ; J16.20 99.03,154.05 ; J16.20 96.97,154.05 ; 12.67,105.74 13.27,106.34 ; 12.67,105.74 13.27,105.14 ; 12.67,105.74 12.08,105.14 ; 12.67,105.74 12.08,106.34 ; 18.58,111.14 19.18,111.74 ; 19.18,111.74 18.58,112.34 ; 19.18,111.74 19.77,111.14 ; 19.18,111.74 19.77,112.34 ; 164.52,158.4 J25.3 ; J25.3 166.48,161.56 ; J25.3 164.52,161.56 ; J25.3 166.48,158.4 ; 19.18,95.74 19.77,96.34 ; 19.18,95.74 18.58,95.14 ; 19.18,95.74 19.77,95.14 ; 19.18,95.74 18.58,96.34 ; 167.5,3.13 169.55,2.8 ; 169.55,2.8 168.69,1.94 ; 169.55,2.8 168.09,2.53 ; 174.11,40.7 J26.10 ; J26.10 175.67,40.7 ; J26.10 174.11,39.14 ; J26.10 175.67,39.14 ; 19.18,99.74 19.77,100.34 ; 19.18,99.74 18.58,100.34 ; 19.18,99.74 18.58,99.14 ; 19.18,99.74 19.77,99.14 ; 17.23,147.9 C4.3 ; C4.3 17.23,146.26 ; C4.3 18.87,146.26 ; C4.3 18.87,147.9 ; MEC1.2 12.4,164.33 ; MEC1.2 11.21,163.14 ; MEC1.2 10.02,161.95 ; 45.78,20.37 J7.4 ; J7.4 45.78,18.91 ; J7.4 47.24,18.91 ; J7.4 47.24,20.37 ; 23.55,38.03 C24.2 ; C24.2 24.28,38.26 ; C24.2 22.82,38.26 ; 12.08,108.34 12.67,107.74 ; 12.67,107.74 13.27,107.14 ; 12.67,107.74 12.08,107.14 ; 12.67,107.74 13.27,108.34 ; J26.21 173.13,23.9 ; J26.21 173.13,25.46 ; J26.21 171.57,23.9 ; J26.21 171.57,25.46 ; 28,18.91 J7.18 ; J7.18 28,20.37 ; J7.18 29.46,20.37 ; J7.18 29.46,18.91 ; MEC14.7 176.28,3.4 ; MEC14.7 176.28,5.08 ; MEC14.7 176.28,6.76 ; J6.2 47.97,13 ; J6.2 46.41,13 ; J6.2 46.41,14.56 ; J6.2 47.97,14.56 ; 14.08,110.14 14.67,110.74 ; 14.67,110.74 14.08,111.34 ; 14.67,110.74 15.27,110.14 ; 168.69,140.3 169.55,139.44 ; 169.55,139.44 169.88,141.49 ; 169.55,139.44 167.5,139.11 ; 59.44,13.1 J9.2 ; J9.2 60.99,14.66 ; J9.2 60.99,13.1 ; J9.2 59.44,14.66 ; MEC1.1 16.03,164.45 ; MEC1.1 12.67,164.45 ; MEC1.1 14.35,164.45 ; 167.5,7.03 169.55,7.36 ; 169.55,7.36 168.69,8.22 ; 169.55,7.36 169.88,9.41 ; 174.02,161.56 J25.6 ; J25.6 175.98,161.56 ; J25.6 175.98,158.4 ; J25.6 174.02,158.4 ; 167.5,135.21 169.55,134.88 ; 169.55,134.88 169.88,132.83 ; 169.55,134.88 168.69,134.02 ; 10.61,2.53 MEC2.4 ; MEC2.4 11.21,1.94 ; MEC2.4 10.02,3.13 ; 171.83,132.72 MEC13.5 ; MEC13.5 170.15,132.72 ; MEC13.5 173.51,132.72 ; C4.2 18.78,144.86 ; C4.2 18.05,144.63 ; C4.2 17.32,144.86 ; 16.3,155.67 16.63,157.72 ; 16.63,157.72 18.68,158.05 ; 16.63,157.72 17.49,156.86 ; 30.54,18.91 J7.16 ; J7.16 32,18.91 ; J7.16 30.54,20.37 ; J7.16 32,20.37 ; 167.38,5.08 MEC14.3 ; MEC14.3 167.38,3.4 ; MEC14.3 167.38,6.76 ; 16.3,164.33 MEC1.8 ; MEC1.8 17.49,163.14 ; MEC1.8 18.68,161.95 ; 167.38,137.16 MEC13.3 ; MEC13.3 167.38,135.48 ; MEC13.3 167.38,138.84 ; 164.52,163.1 J25.4 ; J25.4 166.48,163.1 ; J25.4 164.52,166.26 ; J25.4 166.48,166.26 ; 92.12,2.35 J17.1 ; J17.1 93.58,2.35 ; J17.1 92.12,3.81 ; J17.1 93.58,3.81 ; 17.18,96.74 17.77,96.14 ; 17.18,96.74 16.58,97.34 ; 17.18,96.74 16.58,96.14 ; 17.18,96.74 17.77,97.34 ; 11.21,156.86 12.07,157.72 ; 12.07,157.72 12.4,155.67 ; 12.07,157.72 10.02,158.05 ; 9.9,161.68 MEC1.3 ; MEC1.3 9.9,158.32 ; MEC1.3 9.9,160 ; MEC2.7 18.8,3.4 ; MEC2.7 18.8,5.08 ; MEC2.7 18.8,6.76 ; 170.15,141.61 MEC13.1 ; MEC13.1 171.83,141.61 ; MEC13.1 173.51,141.61